# Altium PCB MotherBoard.PcbDoc (part 7 of 10) (continued)
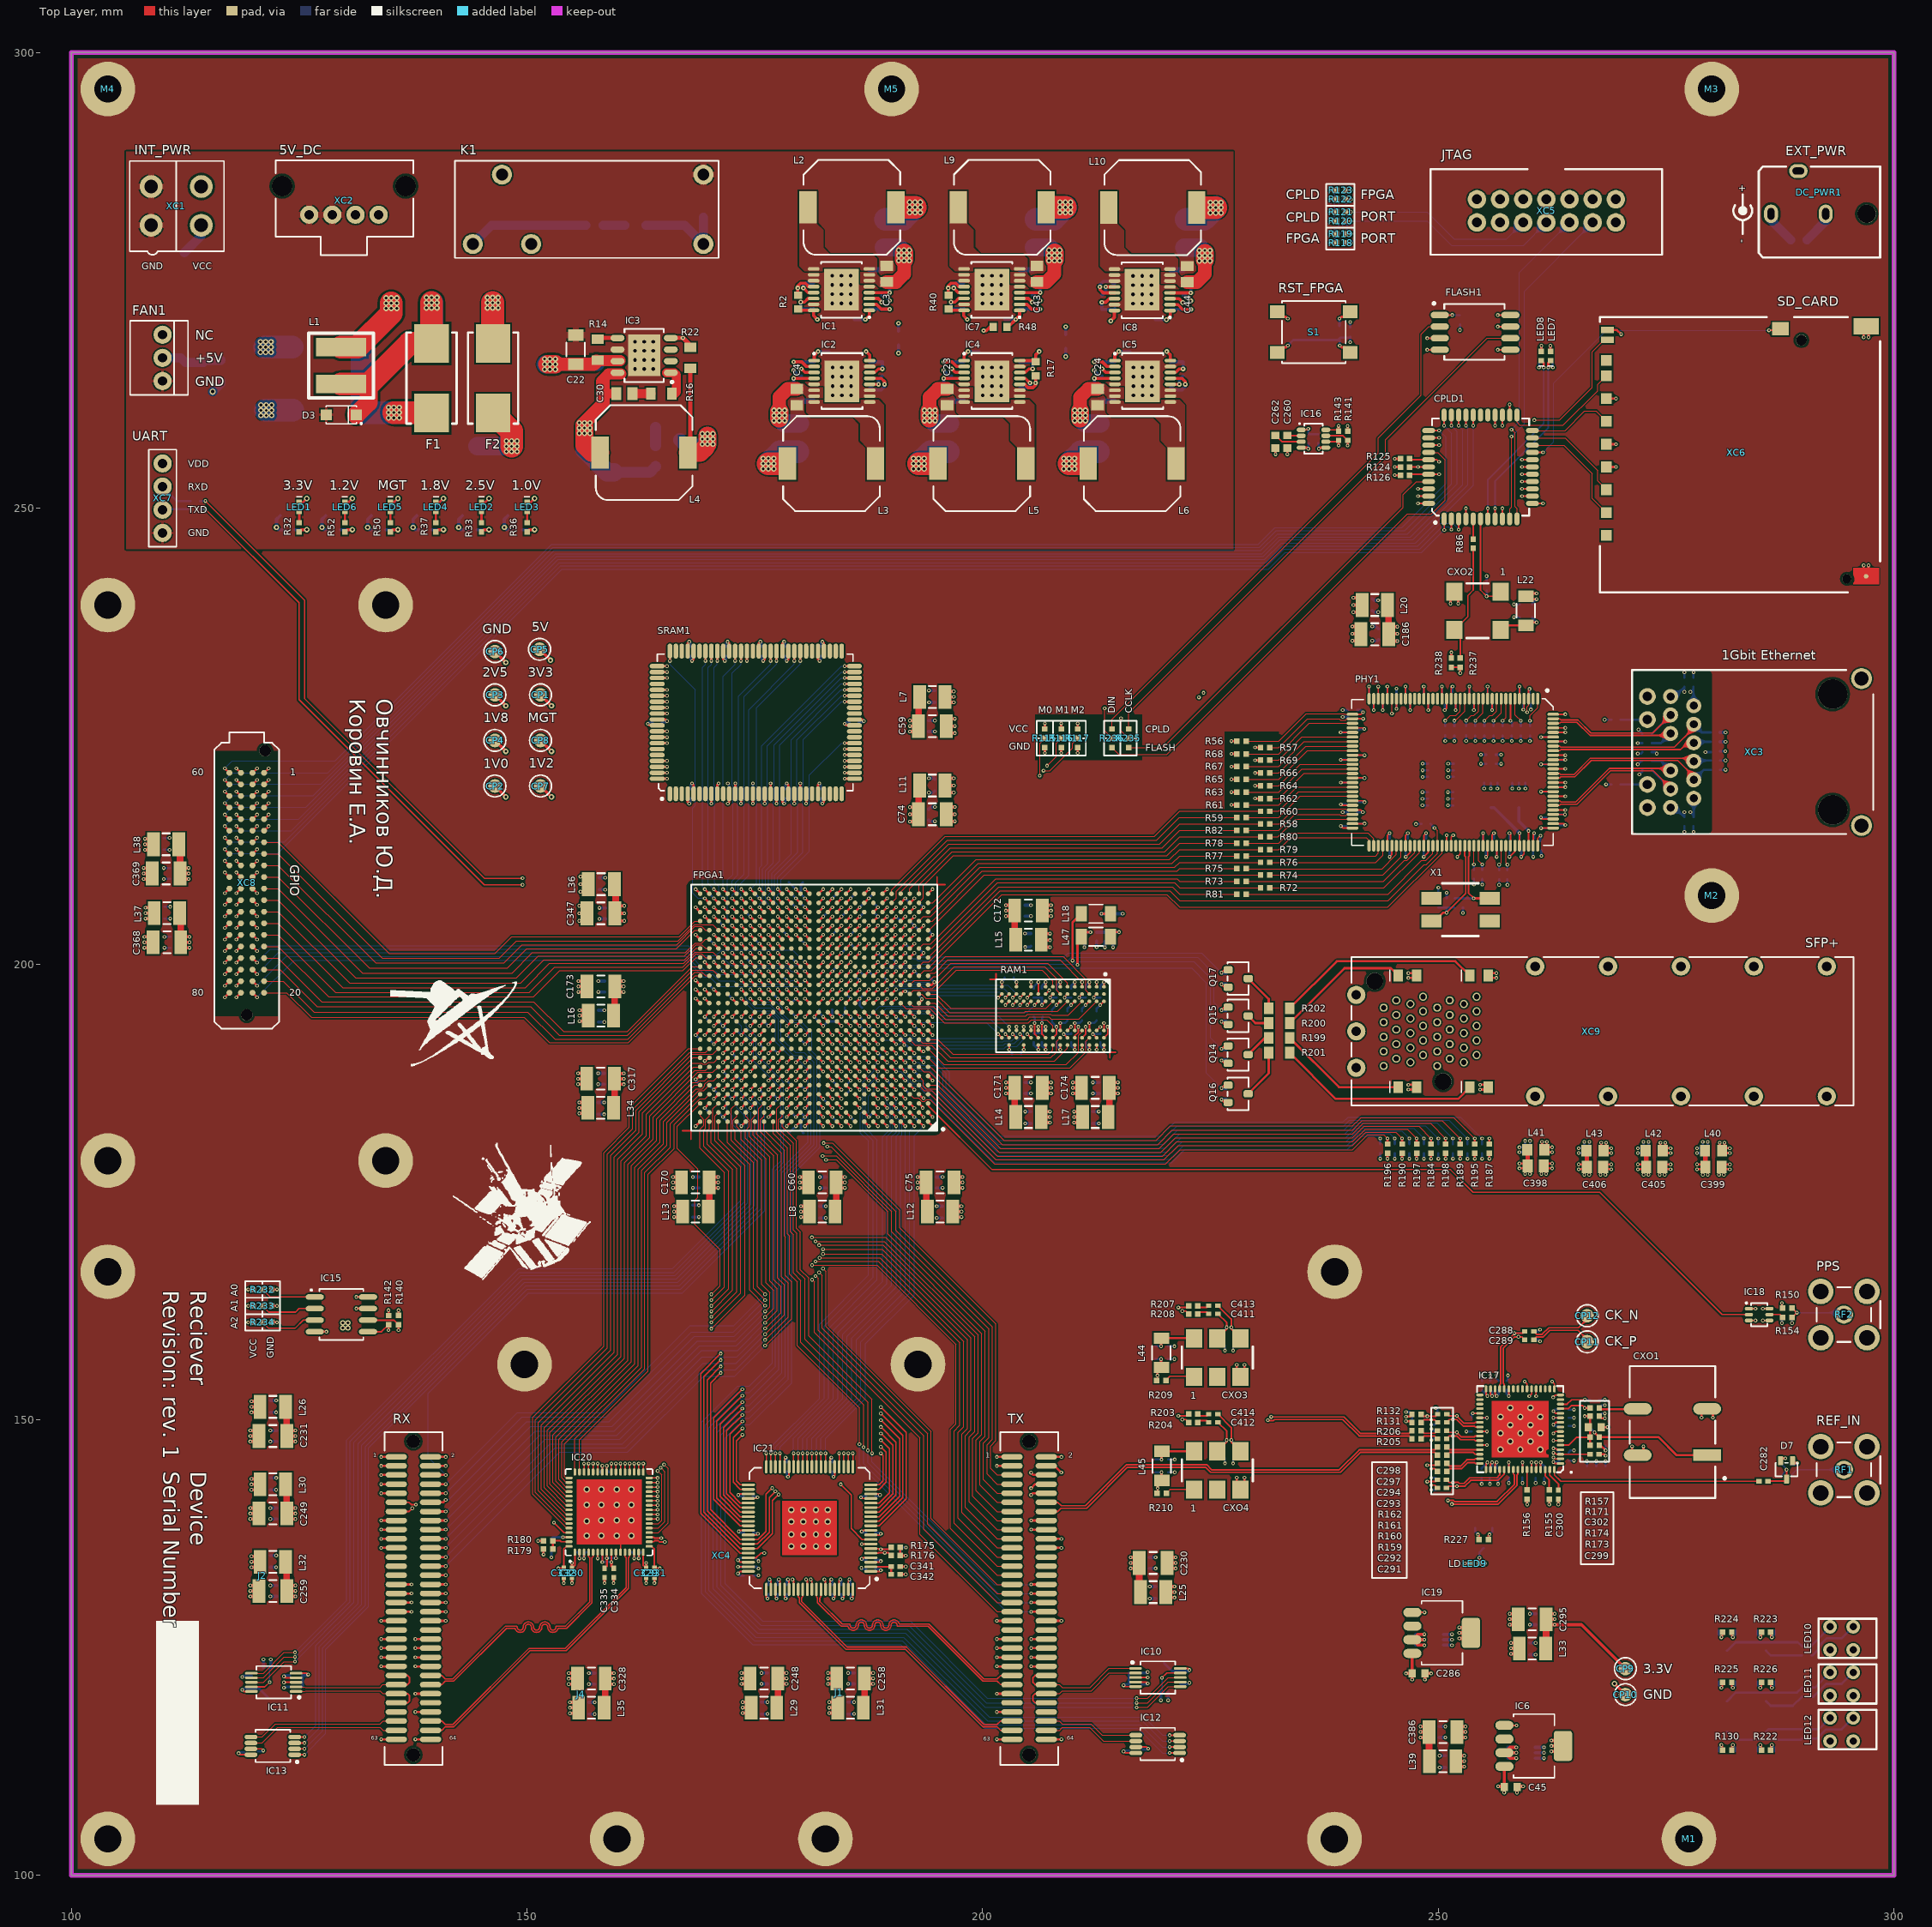
[diagram p0: Top Layer view]
## Nets (pads, with @x,y where several pads share a name; then routed paths per layer and width w, separated by ;. In a path a pad name is that pad's centre, name@x,y a point inside that pad or via, vN(x,y) a via of type N, cw(c..) or ccw(c..) an arc to the next point about the centre after c; other vN are vias at no path point) (continued)
  Top Layer w0.1: v1(182.05,169.15) 189.079,169.15 199.125,159.104 199.125,148.701 198.5,148.076 198.5,140.995 201.56,137.934 XC4.17@203.212,137.934
  Top Layer w0.25: v1(177.5,189.2) FPGA1.H17@178,189.7
  Signal Layer 2 w0.1: v1(177.5,189.2) 177.5,188.695 178.85,187.345 178.85,186.35 180.125,185.075 180.125,181.55 179.525,180.95 179.525,170.775 181.15,169.15 v1(182.05,169.15)
IO_TX_10: FPGA1.G16 XC4.15 | length 66.7
  Top Layer w0.1: v1(181.65,169.55) 189.209,169.55 199.5,159.259 199.5,148.546 198.875,147.921 198.875,141.61 201.56,138.925 XC4.15@203.212,138.925
  Top Layer w0.25: v1(178.5,188.2) FPGA1.G16@179,188.7
  Signal Layer 2 w0.1: v1(178.5,188.2) 179.15,187.55 179.15,187.055 180.85,185.355 180.85,181.825 180.5,181.475 180.5,170.255 181.205,169.55 v1(181.65,169.55)
IO_TX_11: FPGA1.F15 XC4.13 | length 64.5
  Top Layer w0.1: v1(181.25,170) 189.325,170 199.9,159.425 199.9,148.38 199.275,147.755 199.275,142.201 201.56,139.916 XC4.13@203.212,139.916
  Top Layer w0.25: v1(179.5,187.2) FPGA1.F15@180,187.7
  Signal Layer 2 w0.1: v1(179.5,187.2) 180.15,186.55 180.645,186.55 181.1,186.095 181.1,181.525 180.9,181.325 180.9,170.35 v1(181.25,170)
IO_TX_12: FPGA1.G15 XC4.11 | length 60.4
  Top Layer w0.1: v1(182.8,178.5) 183.934,178.5 189.6,172.834 189.6,170.4 200.275,159.725 200.275,148.189 199.675,147.589 199.675,142.826 201.569,140.932 XC4.11@203.212,140.932
  Top Layer w0.25: v1(179.5,188.2) FPGA1.G15@180,188.7
  Signal Layer 2 w0.1: v1(179.5,188.2) 179.5,187.705 180.355,186.85 180.8,186.85 181.375,186.275 181.375,179.475 182.35,178.5 v1(182.8,178.5)
IO_TX_13: FPGA1.H16 XC4.9 | length 60.9
  Top Layer w0.1: v1(182.425,178.925) 183.95,178.925 190.025,172.85 190.025,170.6 200.675,159.95 200.675,148.023 200.075,147.423 200.075,143.426 201.579,141.922 XC4.9@203.212,141.922
  Top Layer w0.25: v1(178.5,189.2) FPGA1.H16@179,189.7
  Signal Layer 2 w0.1: v1(178.5,189.2) 179.075,188.625 179.57,188.625 181.65,186.545 181.65,179.7 v1(182.425,178.925)
IO_TX_14: FPGA1.H15 XC4.7 | length 59.1
  Top Layer w0.1: v1(182.95,179.95) 183.375,179.95 190.475,172.85 190.475,170.75 201.075,160.15 201.075,147.858 200.475,147.258 200.475,144.026 201.588,142.913 XC4.7@203.212,142.913
  Top Layer w0.25: v1(179.5,189.2) FPGA1.H15@180,189.7
  Signal Layer 2 w0.1: v1(179.5,189.2) 180.025,188.675 180.52,188.675 181.9,187.295 181.9,180.505 182.455,179.95 v1(182.95,179.95)
IO_TX_15: FPGA1.H14 XC4.5 | length 57.4
  Top Layer w0.1: v1(182.55,180.35) 183.5,180.35 190.9,172.95 190.9,171.05 201.45,160.5 201.45,147.702 200.85,147.102 200.85,144.651 201.572,143.929 XC4.5@203.212,143.929
  Top Layer w0.25: v1(180.5,189.2) FPGA1.H14@181,189.7
  Signal Layer 2 w0.1: v1(180.5,189.2) 182.15,187.55 182.15,180.75 v1(182.55,180.35)
IOUTA_N: IC21.68 XC4.61 | length 30.6
  Top Layer w0.15: IC21.68@179.75,131.375 179.75,130.575 179.875,130.45 179.875,129.925 185,124.8 191.521,124.8 200.026,116.296 201.586,116.296 201.969,115.913 XC4.61@203.212,115.913
IOUTA_P: IC21.69 XC4.59 | length 30.2
  Top Layer w0.15: IC21.69@180.25,131.375 180.25,130.575 180.125,130.45 180.125,130.029 185.104,125.05 191.625,125.05 200.129,116.546 201.586,116.546 201.969,116.929 XC4.59@203.212,116.929
IOUTB_N: IC21.73 XC4.49 | length 29.2
  Top Layer w0.15: IC21.73@182.25,131.375 182.25,130.575 182.125,130.45 182.125,130.029 184.579,127.575 185.327,127.575 cw(c185.327,127.45) 185.452,127.45 ccw(c185.777,127.45) 186.102,127.45 cw(c186.677,127.45) 187.252,127.45 ccw(c187.577,127.45) 187.902,127.45 cw(c188.477,127.45) 189.052,127.45 ccw(c189.377,127.45) 189.702,127.45 cw(c190.277,127.45) 190.838,127.575 194.104,127.575 200.129,121.549 201.586,121.549 201.969,121.932 XC4.49@203.212,121.932
IOUTB_P: IC21.72 XC4.51 | length 29.6
  Top Layer w0.15: IC21.72@181.75,131.375 181.75,130.575 181.875,130.45 181.875,129.925 184.475,127.325 185.216,127.325 ccw(c185.777,127.45) 186.352,127.45 cw(c186.677,127.45) 187.002,127.45 ccw(c187.577,127.45) 188.152,127.45 cw(c188.477,127.45) 188.802,127.45 ccw(c189.377,127.45) 189.952,127.45 cw(c190.277,127.45) 190.602,127.45 ccw(c190.727,127.45) 190.727,127.325 194,127.325 200.026,121.299 201.586,121.299 201.969,120.916 XC4.51@203.212,120.916
LED1: FPGA1.V4 Q10.1 R224.1 | length 164.5
  Top Layer w0.18: v1(281.05,126.115) 281.175,126.24 R224.1@281.175,126.675
  Top Layer w0.25: FPGA1.V4@191,199.7 v1(191.5,200.2)
  Signal Layer 2 w0.1: v1(191.5,200.2) 193.825,200.2 194.015,200.01 210.005,200.01 210.245,200.25 210.75,200.25 210.95,200.05 224,200.05 224.15,200.2 232.121,200.2 234.121,202.2 269.457,202.2 279.2,192.457 279.2,184.218 277.1,182.118 277.1,160.625 281.725,156 281.725,126.79 v1(281.05,126.115)
  Bottom Layer w0.18: Q10.1@280.733,126.432 v1(281.05,126.115)
  Bottom Layer w0.25: Q10.1@280.733,126.432 Q10.1@280.733,126.845
LED2: FPGA1.Y8 Q12.1 R226.1 | length 175.3
  Top Layer w0.18: v1(285.325,120.57) 285.45,120.695 R226.1@285.45,121.13
  Top Layer w0.25: FPGA1.Y8@187,201.7 v1(187.5,202.2)
  Signal Layer 2 w0.1: v1(187.5,202.2) 188.15,201.55 193.875,201.55 194.025,201.4 231.411,201.4 233.636,203.625 269.941,203.625 280.775,192.791 280.775,184.023 282.875,181.923 282.875,127.275 284.575,125.575 284.575,121.32 v1(285.325,120.57)
  Bottom Layer w0.18: Q12.1@285.008,121.3 285.008,120.887 v1(285.325,120.57)
LED3: FPGA1.W6 Q11.1 R225.1 | length 173.7
  Top Layer w0.18: v1(281.05,120.57) 281.175,120.695 R225.1@281.175,121.13
  Top Layer w0.25: FPGA1.W6@189,200.7 v1(189.5,201.2)
  Signal Layer 2 w0.1: v1(189.5,201.2) 190.15,200.55 209.4,200.55 209.56,200.71 210.89,200.71 211.05,200.55 231.763,200.55 233.913,202.7 269.664,202.7 279.7,192.664 279.7,184.011 277.55,181.861 277.55,160.7 282.125,156.125 282.125,126.85 282.763,126.212 282.763,122.283 v1(281.05,120.57)
  Bottom Layer w0.18: Q11.1@280.733,121.3 280.733,120.887 v1(281.05,120.57)
LED4: FPGA1.W5 Q7.1 R130.1 | length 177.4
  Top Layer w0.18: R130.1@282.191,113.74 282.191,114.175 v1(282.316,114.3)
  Top Layer w0.25: FPGA1.W5@190,200.7 v1(190.5,201.2)
  Signal Layer 2 w0.1: v1(190.5,201.2) 190.85,200.85 193.875,200.85 194.025,201 231.577,201 233.752,203.175 269.826,203.175 280.325,192.676 280.325,158.475 282.5,156.3 282.5,127.05 283.225,126.325 283.225,115.209 v1(282.316,114.3)
  Bottom Layer w0.18: v1(282.316,114.3) 282.633,113.983 Q7.1@282.633,113.57
LED5: FPGA1.Y7 Q8.1 R222.1 | length 181.5
  Top Layer w0.18: R222.1@286.466,113.74 286.466,114.175 v1(286.591,114.3)
  Top Layer w0.25: FPGA1.Y7@188,201.7 v1(188.5,202.2)
  Signal Layer 2 w0.1: v1(188.5,202.2) 188.85,201.85 194.425,201.85 194.775,202.2 231.575,202.2 233.45,204.075 270.128,204.075 281.2,193.003 281.2,184.234 283.325,182.109 283.325,127.45 284.925,125.85 284.925,121.75 285.85,120.825 285.85,115.041 v1(286.591,114.3)
  Bottom Layer w0.18: v1(286.591,114.3) 286.908,113.983 Q8.1@286.908,113.57
LED_ACT_L: FPGA1.V6 Q14.1 R228.1 | length 47
  Top Layer w0.18: v1(226.195,190.683) 226.512,191 Q14.1@226.925,191
  Top Layer w0.25: FPGA1.V6@189,199.7 v1(189.5,200.2)
  Bottom Layer w0.1: v1(189.5,200.2) 189.875,199.825 192.7,199.825 192.85,199.975 209.98,199.975 210.255,200.25 223.166,200.25 225.002,198.414 225.002,191.876 v1(226.195,190.683)
  Bottom Layer w0.18: v1(226.195,190.683) 226.32,190.558 R228.1@226.755,190.558
LED_ACT_R: FPGA1.W4 Q15.1 R229.1 | length 41.6
  Top Layer w0.18: v1(226.195,194.933) 226.512,195.25 Q15.1@226.925,195.25
  Top Layer w0.25: FPGA1.W4@191,200.7 v1(191.5,201.2)
  Bottom Layer w0.1: v1(191.5,201.2) 192.125,200.575 192.65,200.575 192.875,200.35 209.355,200.35 209.715,200.71 223.59,200.71 225.4,198.9 225.4,195.728 v1(226.195,194.933)
  Bottom Layer w0.18: v1(226.195,194.933) 226.32,194.808 R229.1@226.755,194.808
LED_LINK_L: FPGA1.V7 Q16.1 R230.1 | length 51.4
  Top Layer w0.18: v1(226.195,186.383) 226.512,186.7 Q16.1@226.925,186.7
  Top Layer w0.25: FPGA1.V7@188,199.7 v1(188.5,200.2)
  Bottom Layer w0.1: v1(188.5,200.2) 189.15,199.55 222.925,199.55 224.552,197.923 224.552,188.026 v1(226.195,186.383)
  Bottom Layer w0.18: v1(226.195,186.383) 226.32,186.258 R230.1@226.755,186.258
LED_LINK_R: FPGA1.W3 Q17.1 R231.1 | length 37.1
  Top Layer w0.18: v1(226.195,199.033) 226.512,199.35 Q17.1@226.925,199.35
  Top Layer w0.25: FPGA1.W3@192,200.7 v1(192.5,201.2)
  Bottom Layer w0.1: v1(192.5,201.2) 192.925,200.775 208.95,200.775 209.375,201.2 224.028,201.2 v1(226.195,199.033)
  Bottom Layer w0.18: v1(226.195,199.033) 226.32,198.908 R231.1@226.755,198.908
MDC: FPGA1.V1 PHY1.81 | length 63.5
  Top Layer w0.1: FPGA1.V1@194,199.7 194.175,199.7 202.075,207.6 220.225,207.6 221.6,206.225 244.45,206.225 250.4,212.175 PHY1.81@250.4,212.971
MDIA_N: PHY1.109 R99.2 XC3.10 | length 17.1
  Top Layer w0.15: PHY1.109@262.6,217.9 263.31,217.9 263.435,217.775 265.096,217.775 268.771,221.45 275.247,221.45 XC3.10@275.479,221.218
  Bottom Layer w0.25: R99.2@273.408,222.275 274.422,222.275 XC3.10@275.479,221.218
MDIA_P: PHY1.108 R98.2 XC3.11 | length 18.4
  Top Layer w0.15: PHY1.108@262.6,217.4 263.31,217.4 263.435,217.525 265.2,217.525 268.875,221.2 273.575,221.2 275.534,219.241 XC3.11@275.479,219.186
  Bottom Layer w0.15: XC3.11@275.479,219.186 XC3.11@275.479,219.229
  Bottom Layer w0.25: R98.2@273.408,221.3 XC3.11@275.479,219.229
MDIB_N: PHY1.115 R100.2 XC3.4 | length 18.3
  Top Layer w0.15: PHY1.115@262.6,220.9 263.31,220.9 263.435,220.775 264.871,220.775 266.671,222.575 277.678,222.575 XC3.4@278.019,222.234
  Bottom Layer w0.25: XC3.4@278.019,222.234 278.11,222.325 R100.2@279.892,222.325
MDIB_P: PHY1.114 R101.2 XC3.5 | length 19.6
  Top Layer w0.15: PHY1.114@262.6,220.4 263.31,220.4 263.435,220.525 264.975,220.525 266.775,222.325 276.275,222.325 278.019,220.581 XC3.5@278.019,220.202
  Bottom Layer w0.25: XC3.5@278.019,220.202 279.117,221.3 R101.2@279.892,221.3
MDIC_N: PHY1.121 R103.2 XC3.2 | length 19
  Top Layer w0.15: PHY1.121@262.6,223.9 263.31,223.9 263.435,223.775 275.9,223.775 278.019,225.894 XC3.2@278.019,226.298
  Bottom Layer w0.25: XC3.2@278.019,226.298 278.917,225.4 R103.2@279.892,225.4
MDIC_P: PHY1.120 R102.2 XC3.3 | length 17.7
  Top Layer w0.15: PHY1.120@262.6,223.4 263.31,223.4 263.435,223.525 276.584,223.525 277.325,224.266 XC3.3@278.019,224.266
  Bottom Layer w0.25: XC3.3@278.019,224.266 278.128,224.375 R102.2@279.892,224.375
MDID_N: PHY1.127 R104.2 XC3.8 | length 17.3
  Top Layer w0.15: PHY1.127@262.6,226.9 263.31,226.9 263.435,226.775 265.3,226.775 266.75,225.325 273.525,225.325 275.479,227.279 XC3.8@275.479,227.314
  Bottom Layer w0.15: XC3.8@275.479,227.271 XC3.8@275.479,227.314
  Bottom Layer w0.25: R104.2@273.408,225.2 XC3.8@275.479,227.271
MDID_P: PHY1.126 R105.2 XC3.9 | length 16.1
  Top Layer w0.15: PHY1.126@262.6,226.4 263.31,226.4 263.435,226.525 265.196,226.525 266.646,225.075 275.272,225.075 XC3.9@275.479,225.282
  Bottom Layer w0.25: R105.2@273.408,224.225 274.422,224.225 XC3.9@275.479,225.282
MDIO: FPGA1.V2 PHY1.80 R87.2 | length 66.5
  Top Layer w0.1: FPGA1.V2@193,199.7 193.5,200.2 194.1,200.2 201.925,208.025 220.525,208.025 221.6,206.95 244.475,206.95 248.425,210.9 248.675,210.9 249.9,212.125 PHY1.80@249.9,212.971 249.9,214.592 249.575,214.917 v1(249.575,214.925)
  Bottom Layer w0.25: R87.2@249.158,215.35 249.583,214.925 v1(249.575,214.925)
MGTAVCC_G10: C68.1 C72.1 C74.1 C387.2 C388.1 C389.2 C393.1 C394.1 FPGA1.AA10 FPGA1.AA12 FPGA1.AC9 FPGA1.AC11 FPGA1.AC13 L11.1 | length 14.8
  Top Layer w0.25: FPGA1.AC13@182,204.7 v1(182.5,205.2) ; FPGA1.AA12@183,202.7 v1(183.5,203.2) ; FPGA1.AC11@184,204.7 v1(184.5,205.2) ; FPGA1.AA10@185,202.7 v1(185.5,203.2) ; FPGA1.AC9@186,204.7 v1(186.5,205.2)
  Top Layer w0.35: v1(192,215.625) 192.751,215.625 C74.1@192.951,215.825 ; v1(192,217.2) 192.776,217.2 C74.1@192.951,217.025 ; v1(192.001,216.425) C74.1@192.951,216.425
  Top Layer w0.72: C74.1@192.951,216.425 192.951,219.498 L11.1@193.078,219.625
  Bottom Layer w0.25: v1(182.5,205.2) C387.2@183,205.7 ; v1(183.5,203.2) C394.1@184,203.7 ; v1(184.5,205.2) C389.2@185,205.7 ; v1(185.5,203.2) C393.1@186,203.7 ; v1(186.5,205.2) C388.1@187,205.7
  Bottom Layer w0.35: v1(192,215.625) 192.575,215.625 C68.1@192.675,215.725 ; v1(192,217.2) 192.6,217.2 C72.1@192.675,217.125
MGTAVCC_G11: C69.1 C73.1 C75.1 C390.1 C391.1 C392.2 C395.1 C396.1 FPGA1.D9 FPGA1.D11 FPGA1.D13 FPGA1.F10 FPGA1.F12 L12.1 | length 14.5
  Top Layer w0.25: FPGA1.D13@182,185.7 v1(182.5,185.2) ; FPGA1.F12@183,187.7 v1(183.5,187.2) ; FPGA1.D11@184,185.7 v1(184.5,185.2) ; FPGA1.F10@185,187.7 v1(185.5,187.2) ; FPGA1.D9@186,185.7 v1(186.5,185.2)
  Top Layer w0.35: v1(192.851,175.425) C75.1@193.8,175.425 ; v1(192.851,176.025) C75.1@193.8,176.025 ; v1(192.851,176.625) C75.1@193.8,176.625
  Top Layer w0.72: C75.1@193.8,176.025 193.8,172.952 L12.1@193.927,172.825
  Bottom Layer w0.25: v1(182.5,185.2) C391.1@183,184.7 ; v1(183.5,187.2) C395.1@184,186.7 ; C396.1@184,185.7 v1(184.5,185.2) ; C390.1@185,186.7 v1(185.5,187.2) ; C392.2@186,185.7 v1(186.5,185.2)
  Bottom Layer w0.35: v1(192.851,175.425) C69.1@193.524,175.425 ; v1(192.851,176.625) C73.1@193.524,176.625
MGTAVTT_G10: C52.1 C56.1 C59.1 C370.1 C371.2 C372.2 C376.1 C377.1 C378.1 FPGA1.AD7 FPGA1.AD15 FPGA1.AE8 FPGA1.AE10 FPGA1.AE12 FPGA1.AE14 L7.1 R215.1 | length 17.3
  Top Layer w0.25: v1(179.5,206.2) FPGA1.AD15@180,205.7 ; v1(180.5,207.2) FPGA1.AE14@181,206.7 ; FPGA1.AE12@183,206.7 v1(183.5,207.2) ; FPGA1.AE10@185,206.7 v1(185.5,207.2) ; FPGA1.AE8@187,206.7 v1(187.5,207.2) ; FPGA1.AD7@188,205.7 v1(188.5,206.2)
  Top Layer w0.35: v1(192.001,225.5) C59.1@192.951,225.5 ; v1(192.001,226.1) C59.1@192.951,226.1 ; v1(192.001,226.7) C59.1@192.951,226.7
  Top Layer w0.72: C59.1@192.951,226.1 192.951,229.173 L7.1@193.078,229.3
  Bottom Layer w0.25: C378.1@179,206.7 v1(179.5,206.2) ; R215.1@180.262,208.95 180.05,208.738 180.05,207.75 C377.1@180,207.7 v1(180.5,207.2) ; v1(183.5,207.2) C371.2@184,207.7 ; v1(185.5,207.2) C370.1@186,207.7 ; v1(187.5,207.2) C376.1@188,207.7 ; C372.2@188,206.675 188.025,206.675 v1(188.5,206.2)
  Bottom Layer w0.35: v1(192.001,225.5) C56.1@192.675,225.5 ; v1(192.001,226.7) C52.1@192.675,226.7
MGTAVTT_G11: C53.1 C57.1 C60.1 C373.1 C374.1 C375.1 C379.2 C380.2 C381.1 FPGA1.B8 FPGA1.B10 FPGA1.B12 FPGA1.B14 FPGA1.C7 FPGA1.C15 L8.1 R216.1 | length 18.1
  Top Layer w0.25: v1(179.5,184.2) FPGA1.C15@180,184.7 ; v1(180.5,183.2) FPGA1.B14@181,183.7 ; FPGA1.B12@183,183.7 v1(183.5,183.2) ; FPGA1.B10@185,183.7 v1(185.5,183.2) ; FPGA1.B8@187,183.7 v1(187.5,183.2) ; FPGA1.C7@188,184.7 v1(188.5,184.2)
  Top Layer w0.35: C60.1@183.924,175.425 v1(184.874,175.425) ; C60.1@183.924,176.025 v1(184.874,176.025) ; C60.1@183.924,176.625 v1(184.874,176.625)
  Top Layer w0.72: L8.1@183.797,172.825 183.924,172.952 C60.1@183.924,176.025
  Bottom Layer w0.25: v1(179.5,184.2) C381.1@180,184.7 ; C380.2@180,183.7 v1(180.5,183.2) 180.05,182.75 180.05,181.751 180.351,181.45 R216.1@180.262,181.45 ; v1(183.5,183.2) C374.1@184,182.7 ; v1(185.5,183.2) C379.2@186,182.7 ; v1(187.5,183.2) C373.1@188,183.7 ; C375.1@188,184.7 v1(188.5,184.2)
  Bottom Layer w0.35: C57.1@184.2,175.425 v1(184.874,175.425) ; C53.1@184.2,176.625 v1(184.874,176.625)
MODE0: FPGA1.AB7 R115.2 | length 32
  Top Layer w0.1: v1(206.266,220.652) 206.266,224.211 R115.2@206.816,224.761
  Top Layer w0.25: FPGA1.AB7@188,203.7 v1(188.5,204.2)
  Signal Layer 2 w0.1: v1(188.5,204.2) 188.15,204.55 188.15,207.345 194.88,214.075 198.05,214.075 204.627,220.652 v1(206.266,220.652)
MODE1: FPGA1.Y9 R116.2 | length 36.2
  Top Layer w0.1: v1(207.066,221.751) 208.066,222.751 208.066,224.211 R116.2@208.616,224.761
  Top Layer w0.25: FPGA1.Y9@186,201.7 v1(186.5,202.2)
  Signal Layer 2 w0.1: v1(186.5,202.2) 186.85,202.55 186.85,208.045 193.88,215.075 197.586,215.075 204.263,221.751 v1(207.066,221.751)
MODE2: FPGA1.W9 R117.2 | length 37.9
  Top Layer w0.1: v1(206.666,221.202) 207.377,221.202 209.866,223.691 209.866,224.211 R117.2@210.416,224.761
  Top Layer w0.25: FPGA1.W9@186,200.7 v1(186.5,201.2)
  Signal Layer 2 w0.1: v1(186.5,201.2) 187.15,201.85 187.15,207.345 194.355,214.55 197.686,214.55 204.339,221.202 v1(206.666,221.202)
MOSI: FLASH1.5 FPGA1.R14 | length 119.2
  Top Layer w0.18: v1(256.522,267.39) FLASH1.5@257.897,267.39
  Top Layer w0.25: v1(180.5,197.2) FPGA1.R14@181,196.7
  Signal Layer 2 w0.1: v1(180.5,197.2) 180.5,197.7 182.15,199.35 182.15,210.575 196.275,224.7 196.275,225.145 196.805,225.675 197.25,225.675 199.075,227.5 217.05,227.5 221.925,232.375 229.9,232.375 246.325,248.8 246.325,253.875 249.175,256.725 249.175,259 256.522,266.347 v1(256.522,267.39)
NetC1_2: C1.2 D1.2 DC_PWR1.1 | length 200.1
  Power w3.5: v2(121.312,267.687) 119.075,269.925 119.075,287.975 121.875,290.775 171.65,290.775 173.8,288.625 280.175,288.625 DC_PWR1.1@286.5,282.3
  Bottom Layer w1: DC_PWR1.1@286.5,282.3 286.5,281.611 C1.2@288.661,279.45
  Bottom Layer w2.5: v2@121.2,267.7 D1.2@124.23,267.7
  other v2: 120.737,267.112 121.312,267.112 121.912,267.112 120.737,267.687 121.912,267.687 120.737,268.262 121.312,268.262 121.912,268.262
NetC2_1: C2.1 D2.2 XC1.2 | length 34.3
  Power w3.5: XC1.2@114.25,285.3 XC1.2@114.25,281.05 114.25,267.875 v2(121.375,260.75)
  Bottom Layer w1: C2.1@112.389,278.05 114.25,279.911 XC1.2@114.25,281.05
  Bottom Layer w2.5: v2@121.3,260.753 D2.2@124.28,260.765
  other v2: 120.8,260.175 121.375,260.175 121.975,260.175 120.8,260.75 121.975,260.75 120.8,261.325 121.375,261.325 121.975,261.325
NetC5_1: C5.1 R1.1 | length 1.3
  Bottom Layer w0.6: C5.1@187.61,276.176 R1.1@188.948,276.176
NetC8_1: C8.1 R3.1 | length 1.3
  Bottom Layer w0.6: R3.1@180.1,261.738 C8.1@181.438,261.738
NetC9_2: C9.2 IC1.14 R4.2 | length 3.8
  Top Layer w0.35: v4(180.025,272.625) 180.461,272.625 180.85,273.014 IC1.14@181.414,273.014
  Bottom Layer w0.35: v4(180.025,272.625) 180.025,272.209 180.035,272.199 180.01,272.174 180.01,271.852 181.386,271.852 C9.2@181.448,271.914
NetC10_1: C10.1 IC2.14 R5.2 | length 3.8
  Top Layer w0.35: IC2.14@187.596,264.9 188.16,264.9 188.549,265.289 v4(188.985,265.289)
  Bottom Layer w0.35: C10.1@187.6,266 187.662,266.062 R5.2@189,266.062 189,265.74 188.975,265.715 188.985,265.705 v4(188.985,265.289)
NetC11_1: C11.1 C13.1 FAN1.2 R6.1 | length 6.7
  Bottom Layer w1: FAN1.2@110,266.5 111.989,266.5 C13.1@112.5,265.989 C11.1@114.5,265.989 114.761,266.25 R6.1@116.4,266.25
NetC12_1: C12.1 D3.1 F1.2 L1.1 | length 25
  Top Layer w2: D3.1@131.265,260.257 132.63,261.622 132.63,263.63
  Top Layer w2.5: L1.1@129.6,263.63 132.63,263.63 137.089,268.089 F1.2@139.52,268.089 v2(139.52,272.551)
  Bottom Layer w2.5: C12.1@139.551,267.752 v2@139.551,272.551
  other v2: 138.945,271.976 139.52,271.976 140.12,271.976 138.945,272.551 140.12,272.551 138.945,273.126 139.52,273.126 140.12,273.126
NetC14_1: C14.1 K1.5 R7.1 | length 10.1
  Bottom Layer w1: R7.1@163.05,281.039 167.301,281.039 K1.5@169.35,278.99 C14.1@169.35,281.911
NetC15_2: C15.2 IC1.1 | length 2.4
  Top Layer w0.35: v4(187.123,270.714) 187.548,271.139 IC1.1@187.548,271.714
  Bottom Layer w0.35: C15.2@185.91,270.714 v4(187.123,270.714)
NetC16_2: C16.2 IC1.13 | length 2.8
  Top Layer w0.35: v4(180.324,274.164) 180.824,273.664 IC1.13@181.414,273.664
  Bottom Layer w0.35: v4(180.324,274.164) 180.324,274.453 180.585,274.714 C16.2@181.41,274.714
NetC17_2: C17.2 IC2.13 | length 4.2
  Top Layer w0.35: IC2.13@187.596,264.25 188.875,264.25 189.225,263.9 v4(189.225,263.6)
  Bottom Layer w0.35: C17.2@187.6,263.2 187.825,263.2 188.025,263 188.874,263 189.225,263.351 v4(189.225,263.6)
NetC25_1: C25.1 R15.1 | length 1.3
  Bottom Layer w0.6: R15.1@196.562,261.738 C25.1@197.9,261.738
NetC28_1: C28.1 R18.1 | length 1.3
  Bottom Layer w0.6: R18.1@213.1,261.738 C28.1@214.438,261.738
NetC29_2: C29.2 R19.2 | length 2
  Bottom Layer w1.2: R19.2@164.103,256.868 C29.2@164.103,258.893
NetC30_1: C30.1 R16.2 | length 2
  Top Layer w1: C30.1@161.563,262.576 R16.2@163.588,262.576
NetC30_2: C30.2 D5.1 IC3.8 L4.1 R19.1 | length 26.8
  Top Layer w1: 158.3,262.576 C30.2@159.785,262.576
  Top Layer w1.2: 158.3,262.576 158.3,264.1 158.934,264.734 IC3.8@160.3,264.734
  Top Layer w1.5: 156.075,259.15 158.3,261.375 158.3,263.9
  Top Layer w2: v2@156.3,259.025 156.3,256.9 157.101,256.099 L4.1@158.007,256.099
  Bottom Layer w1.2: D5.1@159.531,253.94 163.475,253.94 R19.1@164.103,254.568
  Bottom Layer w2: v2@156.3,259.025 156.3,256.4 158.76,253.94 D5.1@159.531,253.94
  other v2: 155.725,258.225 156.3,258.225 156.9,258.225 155.725,258.8 156.3,258.8 156.9,258.8 155.725,259.375 156.3,259.375 156.9,259.375
NetC31_1: C31.1 IC4.14 R20.2 | length 3.8
  Top Layer w0.35: IC4.14@204.096,264.9 204.66,264.9 205.049,265.289 v4(205.485,265.289)
  Bottom Layer w0.35: C31.1@204.062,266 204.124,266.062 R20.2@205.5,266.062 205.5,265.74 205.475,265.715 205.485,265.705 v4(205.485,265.289)
NetC32_1: C32.1 IC5.14 R21.2 | length 3.8
  Top Layer w0.35: IC5.14@220.596,264.9 221.16,264.9 221.549,265.289 v4(221.985,265.289)
  Bottom Layer w0.35: C32.1@220.6,266 220.662,266.062 R21.2@222,266.062 222,265.74 221.975,265.715 221.985,265.705 v4(221.985,265.289)
NetC33_1: C33.1 IC4.1 | length 2.4
  Top Layer w0.35: IC4.1@197.962,266.2 197.962,266.775 v4(198.387,267.2)
  Bottom Layer w0.35: v4(198.387,267.2) C33.1@199.6,267.2
NetC34_1: C34.1 K1.4 L4.2 R22.2 | length 51.5
  Top Layer w0.5: L4.2@167.659,256.099 167.913,256.353 R22.2@167.913,265.363
  Top Layer w2: L4.2@167.659,256.099 168.999,256.099 169.575,256.675 ; v2(169.8,257.025) v2@169.8,257.95
  Power w3: K1.4@150.45,278.99 154.665,274.775 164.425,274.775 169.8,269.4 v2(169.8,257.6)
  Bottom Layer w1.5: C34.1@166.77,257.496 167.366,256.9 v2@169.675,256.9
  Bottom Layer w2: v2@169.8,257.15 v2@169.8,257.95
  other v2: 169.225,257.025 170.4,257.025 169.225,257.6 170.4,257.6 169.225,258.175 169.8,258.175 170.4,258.175
NetC35_2: C35.2 IC4.13 | length 2.8
  Top Layer w0.35: IC4.13@204.096,264.25 204.686,264.25 v4(205.186,263.75)
  Bottom Layer w0.35: C35.2@204.1,263.2 204.925,263.2 205.186,263.461 v4(205.186,263.75)
NetC36_2: C36.2 IC5.13 | length 4.2
  Top Layer w0.35: IC5.13@220.596,264.25 221.875,264.25 222.225,263.9 v4(222.225,263.6)
  Bottom Layer w0.35: C36.2@220.6,263.2 220.825,263.2 221.025,263 221.874,263 222.225,263.351 v4(222.225,263.6)
NetC37_2: C37.2 F2.2 K1.2 | length 23.1
  Top Layer w2.5: F2.2@146.225,268.134 v2(146.225,272.55)
  Power w2.5: v2(146.225,272.55) 147.25,273.575 K1.2@147.25,286.61
  Bottom Layer w2.5: C37.2@146.225,268.374 v2(146.225,272.55)
  other v2: 145.65,271.975 146.225,271.975 146.825,271.975 145.65,272.55 146.825,272.55 145.65,273.125 146.225,273.125 146.825,273.125
NetC48_2: C48.2 R38.1 | length 1.3
  Bottom Layer w0.6: C48.2@204.11,276.176 R38.1@205.448,276.176
NetC49_2: C49.2 R39.2 | length 1.3
  Bottom Layer w0.6: C49.2@220.648,276.151 R39.2@221.986,276.151
NetC54_1: C54.1 IC7.14 R41.2 | length 3.8
  Top Layer w0.35: v4(196.525,272.625) 196.961,272.625 197.35,273.014 IC7.14@197.914,273.014
  Bottom Layer w0.35: v4(196.525,272.625) 196.525,272.209 196.535,272.199 196.51,272.174 196.51,271.852 197.886,271.852 C54.1@197.948,271.914
NetC55_1: C55.1 IC8.14 R42.1 | length 3.8
  Top Layer w0.35: v4(213.063,272.6) 213.499,272.6 213.888,272.989 IC8.14@214.452,272.989
  Bottom Layer w0.35: R42.1@213.048,271.827 213.048,272.149 213.073,272.174 213.063,272.184 v4(213.063,272.6) ; R42.1@213.086,271.827 214.424,271.827 C55.1@214.486,271.889
NetC63_1: C63.1 IC8.1 | length 2.4
  Top Layer w0.35: v4(220.161,270.689) 220.586,271.114 IC8.1@220.586,271.689
  Bottom Layer w0.35: C63.1@218.948,270.689 v4(220.161,270.689)
NetC66_1: C66.1 IC7.13 | length 2.8
  Top Layer w0.35: v4(196.824,274.164) 197.324,273.664 IC7.13@197.914,273.664
  Bottom Layer w0.35: v4(196.824,274.164) 196.824,274.453 197.085,274.714 C66.1@197.91,274.714
NetC67_2: C67.2 IC8.13 | length 4.2
  Top Layer w0.35: v4(212.861,274.289) 212.861,273.989 213.211,273.639 IC8.13@214.49,273.639
  Bottom Layer w0.35: v4(212.861,274.289) 212.861,274.538 213.212,274.889 214.061,274.889 214.261,274.689 C67.2@214.486,274.689
NetC175_2: C175.2 C177.2 PHY1.98 R70.2 | length 15.3
  Top Layer w0.18: PHY1.98@258.9,212.971 v1(258.9,214.35)
  Signal Layer 2 w0.25: v1(256.883,221.956) 256.9,221.939 256.9,216.35 v1(258.9,214.35)
  Bottom Layer w0.25: R70.2@256.283,221.956 v1(256.883,221.956) ; C177.2@258.9,213.75 v1(258.9,214.35)
  Bottom Layer w0.35: C175.2@255.775,217.151 256.099,217.151 v1(258.9,214.35)
NetC176_2: C176.2 PHY1.100 R71.2 | length 14.7
  Top Layer w0.18: PHY1.100@259.888,213.058 v1(259.888,214.6)
  Signal Layer 2 w0.25: v1(256.883,222.956) 257.308,222.531 257.308,217.18 v1(259.888,214.6)
  Bottom Layer w0.25: R71.2@256.283,222.956 v1(256.883,222.956)
  Bottom Layer w0.35: C176.2@258.825,217.151 258.825,215.663 v1(259.888,214.6)
NetC188_1: C188.1 CXO2.4 L22.2 | length 5
  Top Layer w0.25: CXO2.4@256.84,236.65 257.34,237.15 L22.2@259.6,237.15 259.925,237.475 v1(260.775,237.475)
  Bottom Layer w0.25: C188.1@260.3,238.05 260.3,237.95 v1(260.775,237.475)
NetC234_2: C234.2 IC10.10 L27.2 | length 4.3
  Top Layer w0.18: IC10.10@221.675,122.7 222.5,122.7 v1(222.675,122.525)
  Bottom Layer w0.3: L27.2@219.9,123.3 220.8,122.4 C234.2@221.675,122.4 222.55,122.4 v1(222.675,122.525)
NetC235_2: C235.2 IC11.10 L28.2 | length 4.3
  Top Layer w0.18: v1(118.75,120.35) 118.925,120.175 IC11.10@119.75,120.175
  Bottom Layer w0.3: v1(118.75,120.35) 118.875,120.475 C235.2@119.75,120.475 120.625,120.475 L28.2@121.525,119.575
NetC260_2: C260.2 IC16.2 | length 1.6
  Top Layer w0.18: C260.2@233.425,258.025 233.5,257.95 IC16.2@234.95,257.95
NetC262_2: C262.2 IC16.3 | length 3.1
  Top Layer w0.18: C262.2@232.125,258.025 232.85,257.3 IC16.3@234.95,257.3
NetC263_2: C263.2 R150.1 | length 1.1
  Top Layer w0.18: v1(287.7,162.775) 287.7,162.309 R150.1@287.784,162.225
  Bottom Layer w0.18: C263.2@287.7,162.225 v1(287.7,162.775)
NetC275_2: C275.2 IC17.10 | length 1.6
  Top Layer w0.18: v1(262.625,149.45) 262.875,149.7 IC17.10@263.4,149.7
  Bottom Layer w0.25: v1(262.625,149.45) 262.775,149.3 C275.2@263.3,149.3
NetC282_2: C282.2 D7.3 R151.1 R152.1 | length 4.8
  Top Layer w0.18: C282.2@286.175,143.25 287.966,143.25 D7.3@288.2,143.484 v1(288.2,144.5)
  Bottom Layer w0.15: v1@288.2,144.408 v1(288.2,144.5)
  Bottom Layer w0.18: R151.1@287.692,143.9 v1@288.2,144.408 ; R152.1@287.692,145.1 288.2,144.592 v1(288.2,144.5)
NetC288_1: C288.1 IC17.29 R164.2 | length 9.2
  Top Layer w0.18: IC17.29@256.725,153.375 256.725,153.825 256.825,153.925 256.825,157.95 v1(258.35,159.475) 259.275,159.475 C288.1@259.475,159.675
  Bottom Layer w0.18: v1(258.35,159.475) 259.275,159.475 R164.2@259.475,159.675
NetC289_1: C289.1 IC17.28 R163.2 | length 8.3
  Top Layer w0.18: IC17.28@257.225,153.375 257.225,153.875 257.125,153.975 257.125,157.854 258.356,159.085 v1(258.785,159.085) 259.165,159.085 C289.1@259.475,158.775
  Bottom Layer w0.18: v1(258.785,159.085) 259.165,159.085 R163.2@259.475,158.775
NetC291_2: C291.2 IC17.53 R165.2 | length 8.7
  Top Layer w0.18: C291.2@250.908,142.5 251.108,142.7 v1(252.033,142.7) 252.925,142.7 253.559,143.334 256.534,143.334 257.225,144.025 IC17.53@257.225,144.525
  Bottom Layer w0.18: R165.2@250.908,142.5 251.108,142.7 v1(252.033,142.7)
NetC292_2: C292.2 IC17.52 R166.2 | length 7.8
  Top Layer w0.18: C292.2@250.908,143.4 251.218,143.09 v1(251.598,143.09) 251.608,143.1 252.185,143.1 252.285,143 252.829,143 253.443,143.614 256.418,143.614 256.725,143.921 IC17.52@256.725,144.525
  Bottom Layer w0.18: R166.2@250.908,143.4 251.218,143.09 v1(251.598,143.09)
NetC293_1: C293.1 R205.1 | length 2.1
  Top Layer w0.18: R205.1@248.109,147.889 248.415,148.195 249.609,148.195 C293.1@249.909,147.895
NetC293_2: C293.2 IC17.43 R167.2 | length 4.8
  Top Layer w0.18: C293.2@250.908,147.9 251.218,148.21 v1(251.598,148.21) 252.027,148.21 252.437,147.8 253.95,147.8 254.05,147.7 IC17.43@254.55,147.7
  Bottom Layer w0.18: R167.2@250.908,147.9 251.218,148.21 v1(251.598,148.21)
NetC294_1: C294.1 R206.1 | length 2.1
  Top Layer w0.18: R206.1@248.109,148.811 248.415,148.505 249.609,148.505 C294.1@249.909,148.805